# KiCad board cpu2.kicad_pcb (continued)
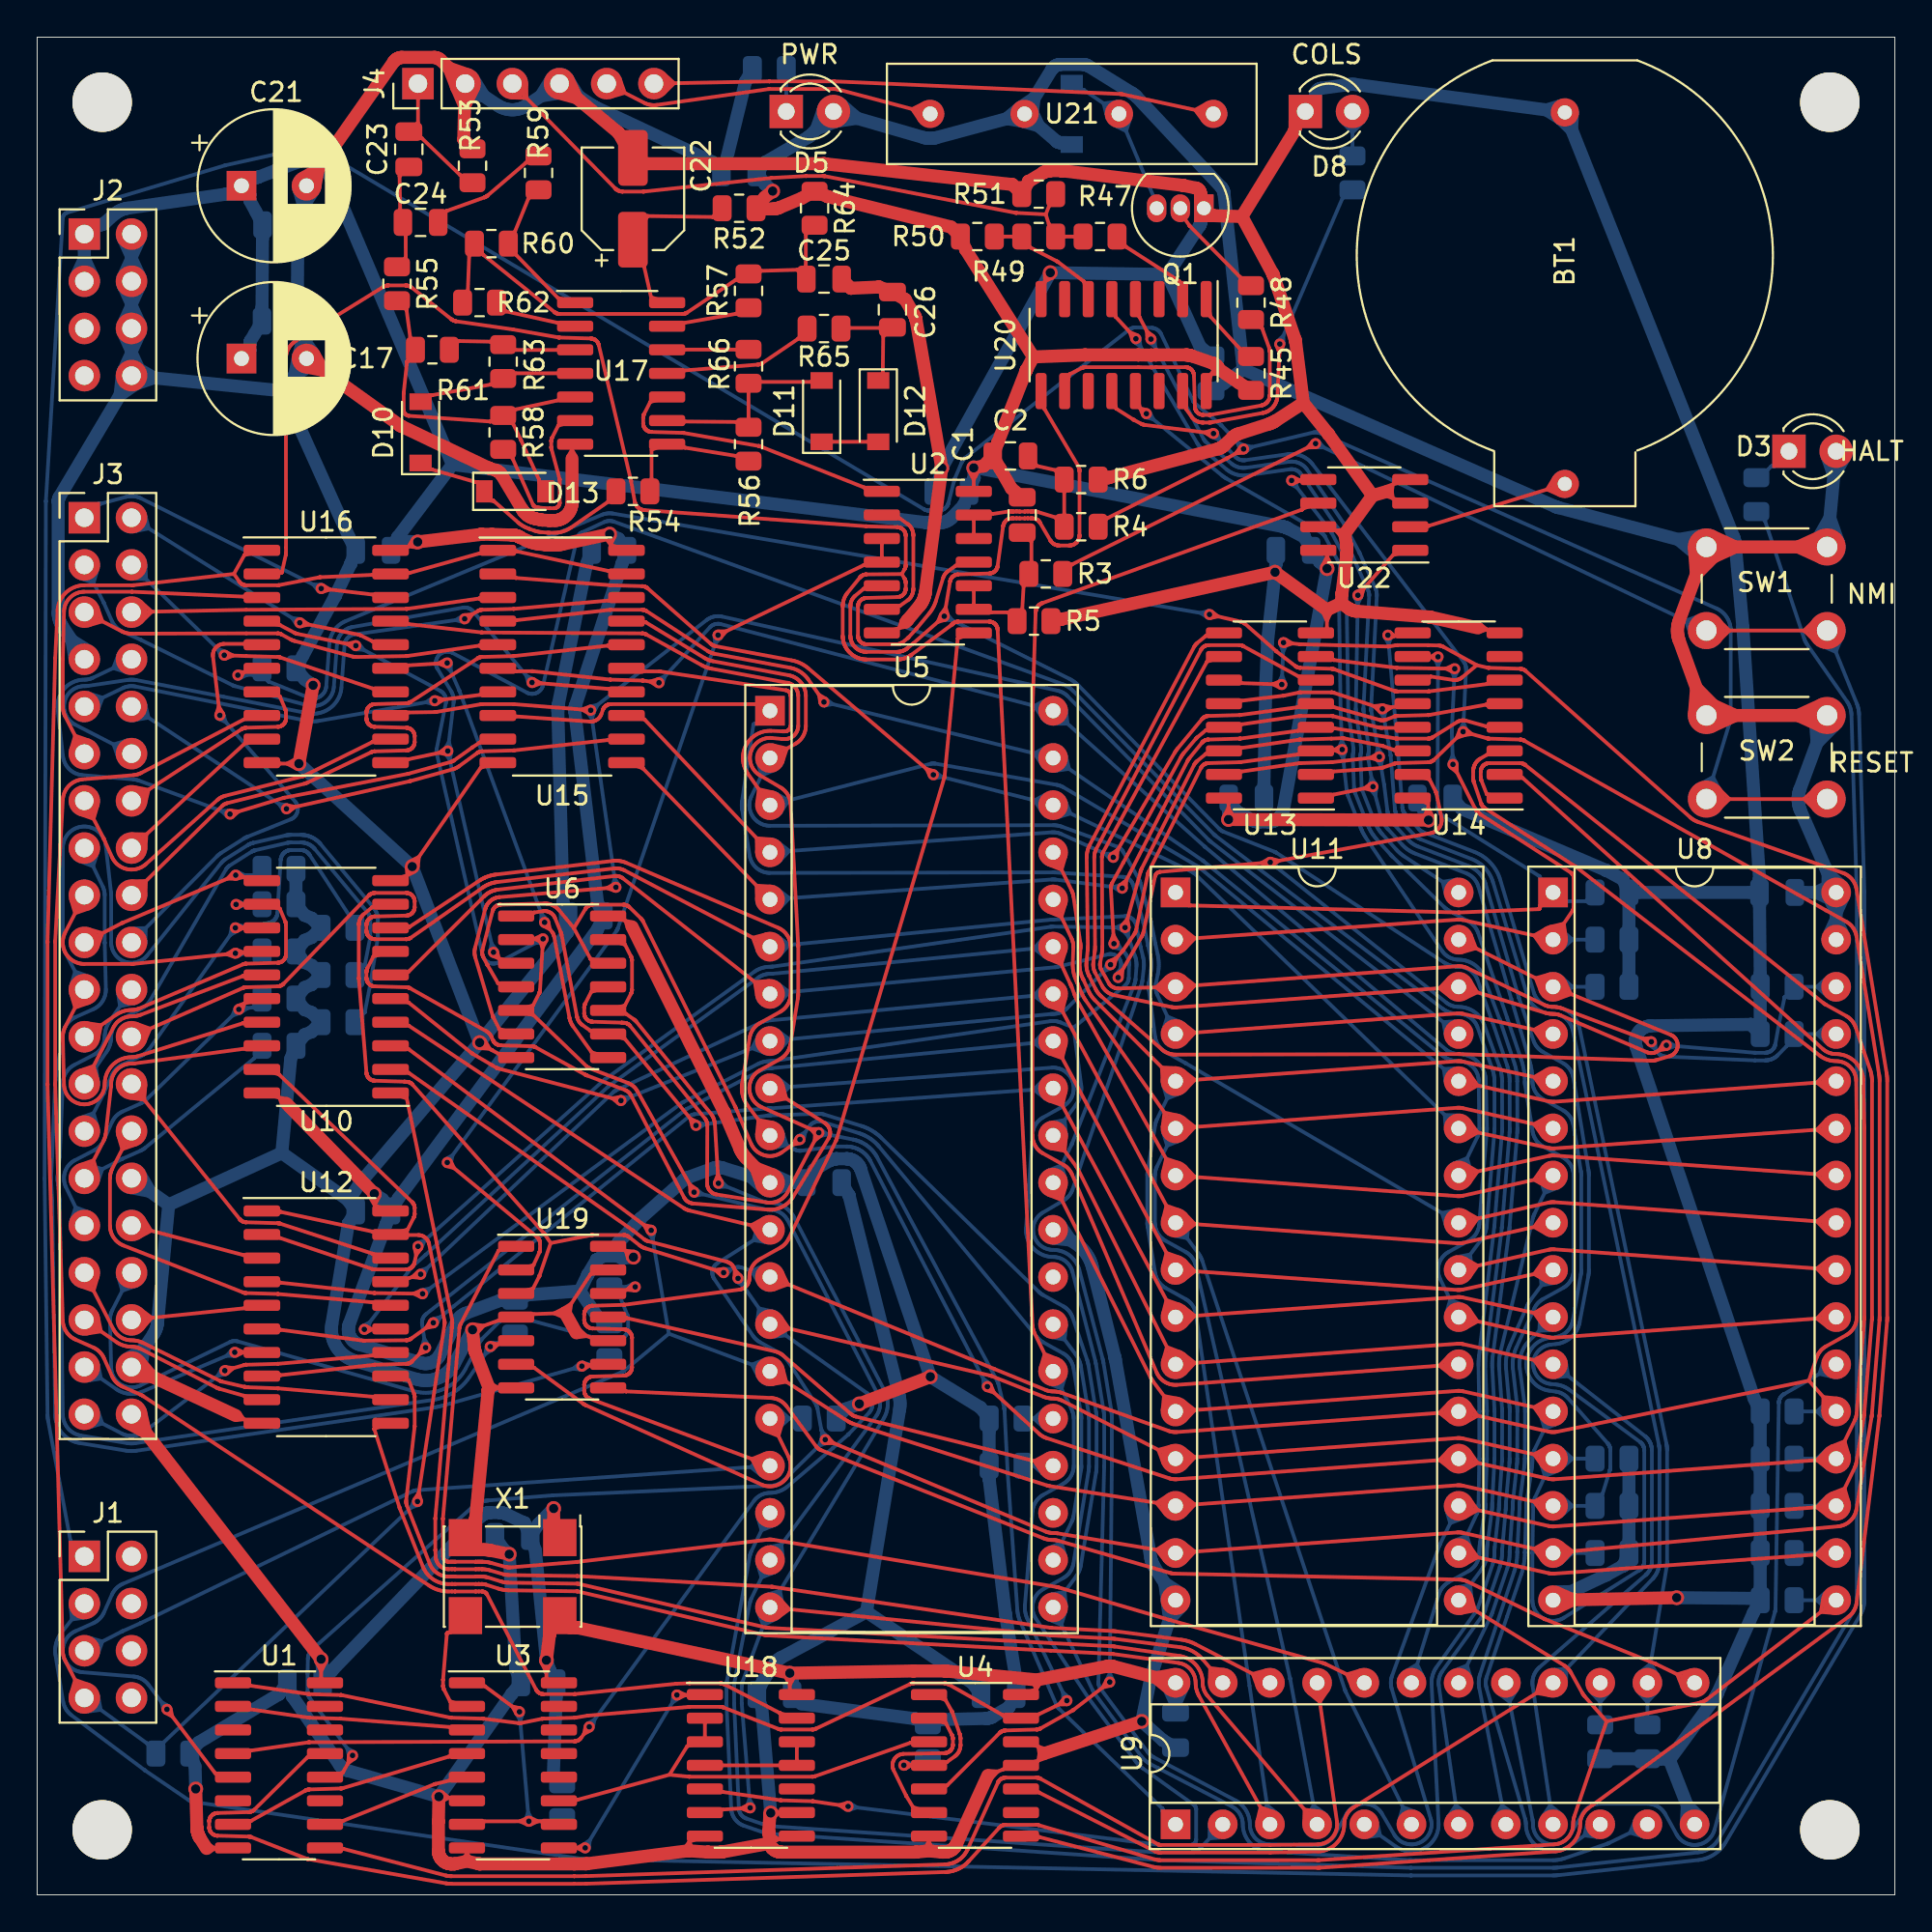
[diagram p0: board, top side]
## Routing (per net, layer and track width the routed paths; a pad name or vN(x,y) marks a point on that pad's centre or on a via; arc(x,y) is an arc through that point) (continued)
~{F_INUSE}: length 68.7
  Top w0.2: 29.75,28.51 v2(29.32,28.46) ; 29.75,28.51 29.44,28.3 ; 29.75,28.51 29.39,28.65 ; 29.75,28.51 29.76,28.51 29.86,28.51 U19.9
  Bottom w0.2: J3.15 3.53,54.28 3.55,54.24 3.57,54.19 3.58,54.15 3.6,54.1 3.61,54.05 3.62,54 3.63,53.96 3.63,53.91 3.64,53.86 3.64,53.81 3.64,51.27 3.64,51.23 3.7,48.76 3.7,48.69 3.7,48.63 3.69,48.56 3.68,48.5 3.66,48.44 3.64,48.37 3.62,48.31 3.6,48.25 3.57,48.2 3.54,48.14 3.5,48.08 3.47,48.03 3.42,47.98 3.38,47.93 3.34,47.89 3.29,47.84 3.24,47.8 3.18,47.76 3.13,47.73 3.07,47.7 3.01,47.67 2.07,47.25 2.01,47.22 1.95,47.19 1.9,47.16 1.85,47.12 1.8,47.08 1.75,47.04 1.7,46.99 1.66,46.95 1.62,46.9 1.58,46.85 1.55,46.79 1.52,46.74 1.49,46.68 1.46,46.62 1.44,46.56 1.42,46.5 1.41,46.44 1.4,46.38 0.99,43.9 0.98,43.87 0.98,43.83 0.98,43.79 0.97,43.75 0.97,43.71 0.81,39.81 0.81,39.8 0.75,38.66 0.75,38.63 0.75,38.59 0.75,38.55 0.75,38.51 0.75,38.48 0.81,37.34 0.81,37.31 0.97,25.85 0.97,25.76 0.98,25.67 1,25.58 1.02,25.49 1.04,25.4 1.07,25.31 1.11,25.23 1.15,25.15 1.19,25.07 1.24,24.99 1.29,24.92 1.35,24.85 1.41,24.78 1.48,24.71 1.55,24.65 1.62,24.6 1.69,24.55 1.77,24.5 1.85,24.46 1.94,24.42 2.02,24.39 2.11,24.36 2.2,24.34 2.29,24.32 4.76,23.92 4.84,23.9 4.91,23.9 4.99,23.89 5.06,23.89 5.14,23.89 5.21,23.89 5.29,23.9 5.37,23.91 21.38,26.24 21.46,26.25 21.55,26.27 21.63,26.29 21.72,26.31 21.8,26.33 v2(29.32,28.46) 30.11,28.59 30.11,28.59 R18.1 ; 3.25,56.12 3.01,55.37 2.27,55.65 ; 29.43,28.29 29.8,28.54 29.37,28.65 ; 29.29,28.26 28.86,28.33 29.19,28.61
~{F_IN}: length 27.9
  Top w0.2: 10,63.6 9.78,63.97 9.64,63.56 ; v2(9.83,63.49) 9.46,66.66 9.46,66.69 9.46,66.73 9.46,66.77 9.46,66.8 9.47,66.84 9.48,66.87 9.49,66.91 9.5,66.94 9.51,66.97 9.53,67 9.54,67.04 9.56,67.07 9.58,67.09 9.6,67.12 9.63,67.15 9.65,67.17 9.68,67.2 9.71,67.22 9.74,67.24 9.77,67.26 9.8,67.28 9.83,67.29 9.86,67.3 9.9,67.31 9.93,67.32 9.96,67.33 10,67.34 10.04,67.34 10.07,67.34 11.21,67.34 12.1,67.3
  Bottom w0.2: 9.75,63.31 10.15,63.13 10.03,63.55 ; 5.83,51.25 5.85,52.04 5.06,52.02 ; J3.20 9.67,55.9 9.71,55.93 9.74,55.96 9.77,55.99 9.81,56.02 9.85,56.05 9.89,56.07 9.92,56.1 11.12,56.85 11.14,56.87 11.16,56.88 11.19,56.9 11.21,56.91 11.27,56.93 11.31,56.95 11.34,56.96 13.65,57.89 13.68,57.91 13.71,57.93 13.75,57.94 13.78,57.96 13.8,57.99 13.83,58.01 13.86,58.04 13.88,58.06 13.91,58.09 13.93,58.12 13.95,58.15 13.96,58.18 13.98,58.22 13.99,58.25 14,58.28 14.01,58.32 14.02,58.35 14.03,58.39 14.03,58.43 14.03,58.46 14.03,58.5 14.03,58.54 14.02,58.57 14.01,58.61 14,58.64 13.99,58.68 13.98,58.71 13.96,58.74 13.94,58.77 13.92,58.8 13.9,58.83 13.88,58.86 v2(9.83,63.49)
~{F_MREQ}: length 19.1
  Top w0.2: v2(14.13,68.48) 17.28,67.84 17.3,67.84 17.32,67.83 17.34,67.82 17.37,67.82 17.39,67.81 17.41,67.8 17.43,67.79 18.04,67.48 18.04,67.48 19.02,67.3 ; 14.18,68.28 14.6,68.38 14.25,68.64
  Bottom w0.2: 14.16,68.68 13.73,68.73 13.97,68.37 ; 5.23,73.4 6,73.55 5.81,74.32 ; J3.2 v2(14.13,68.48)
~{F_OUT}: length 20.8
  Top w0.2: J3.11 1.51,63.44 1.49,63.49 1.47,63.53 1.45,63.58 1.43,63.63 1.42,63.67 1.41,63.72 1.4,63.77 1.39,63.82 1.38,63.87 1.38,63.92 1.38,63.97 1.38,66.51 1.38,66.54 1.44,69.08 1.45,69.14 1.45,69.2 1.46,69.26 1.48,69.33 1.5,69.39 1.52,69.45 1.54,69.5 1.57,69.56 1.6,69.61 1.63,69.67 1.67,69.72 1.71,69.77 1.75,69.81 1.8,69.86 1.84,69.9 1.89,69.94 1.95,69.97 2,70 2.06,70.03 2.11,70.06 2.17,70.08 2.23,70.1 2.29,70.12 2.35,70.13 2.41,70.14 2.48,70.14 2.54,70.15 5.08,70.15 5.12,70.15 5.13,70.15 11.11,69.89 11.11,69.88 11.21,69.88 12.1,69.84 ; 1.82,61.64 2.04,62.4 2.79,62.14
~{F_READ}: length 10.8
  Top w0.2: 5.83,56.3 5.88,57.09 5.09,57.1 ; 12.1,62.22 11.15,61.96 J3.16
~{F_SYSRES}: length 19.8
  Top w0.2: 15.39,70.49 15.76,70.27 15.35,70.13 ; 19.02,69.84 18.04,70 v2(15.29,70.32)
  Bottom w0.2: J3.1 3.29,74.88 3.39,74.88 3.42,74.88 4.78,75.25 4.84,75.26 4.9,75.28 4.96,75.28 5.02,75.29 5.08,75.29 5.14,75.29 5.2,75.28 5.26,75.28 5.32,75.27 5.37,75.25 5.43,75.24 5.49,75.22 5.54,75.19 5.6,75.17 v2(15.29,70.32) ; 15.13,70.2 14.86,70.54 15.29,70.52
~{F_WAIT}: length 45.9
  Top w0.2: 32.06,32.87 31.74,32.57 32.18,32.53 ; v2(32.2,32.73) 31.7,32.56 U19.12
  Bottom w0.2: 4.36,33.28 4.58,32.52 5.33,32.78 ; 5.56,27.42 10.37,29.75 10.4,29.77 10.43,29.78 10.46,29.79 10.49,29.8 10.52,29.8 10.55,29.81 10.58,29.81 10.61,29.81 10.64,29.81 10.68,29.81 10.71,29.81 10.74,29.81 10.77,29.8 10.8,29.79 20.25,27.12 20.38,27.09 20.52,27.06 20.65,27.04 20.79,27.03 20.93,27.03 21.06,27.03 21.2,27.04 21.34,27.06 21.47,27.09 21.6,27.13 21.73,27.17 21.86,27.22 21.98,27.28 22.11,27.34 22.22,27.41 22.34,27.49 22.44,27.57 22.55,27.66 22.65,27.76 22.74,27.86 22.83,27.96 22.91,28.07 22.98,28.19 23.05,28.3 23.86,29.8 23.87,29.82 23.88,29.84 23.89,29.86 23.91,29.88 23.92,29.89 23.93,29.91 23.95,29.93 23.96,29.94 24.89,30.86 24.91,30.88 24.93,30.9 24.97,30.92 ; v2(32.2,32.73) 31.4,32.73 R20.1 31.36,32.24 31.77,31.21 31.78,31.18 31.8,31.12 31.8,31.09 31.81,31.08 31.81,31.02 31.81,31 31.81,30.48 31.81,30.45 31.8,30.4 31.8,30.37 31.8,30.36 31.78,30.31 31.77,30.28 31.77,30.26 31.74,30.22 31.73,30.19 31.72,30.18 31.69,30.13 31.67,30.11 31.66,30.1 31.62,30.06 31.6,30.04 31.59,30.03 31.55,30 31.52,29.99 31.51,29.98 31.46,29.96 31.43,29.95 31.42,29.94 31.37,29.93 31.34,29.93 31.32,29.92 31.27,29.92 31.25,29.92 30.35,29.92 30.32,29.92 30.27,29.92 30.24,29.93 30.23,29.93 30.18,29.94 26.34,30.99 26.28,31 26.26,31 26.24,31.01 26.19,31.01 26.17,31.01 25.27,31.01 25.24,31.01 25.19,31 25.16,31 25.12,30.99 25.09,30.98 25.07,30.97 25.05,30.97 25,30.94 24.98,30.93 24.97,30.92 ; 5.56,27.42 5.5,27.4 5.44,27.37 5.37,27.35 5.31,27.34 5.24,27.33 5.18,27.32 5.11,27.31 5.04,27.31 4.98,27.32 4.91,27.33 4.85,27.34 4.78,27.35 4.72,27.37 4.66,27.4 4.6,27.43 4.54,27.46 4.48,27.49 4.43,27.53 4.37,27.57 4.33,27.61 4.28,27.66 4.23,27.71 4.19,27.76 4.16,27.82 4.12,27.88 4.09,27.93 4.06,28 4.04,28.06 4.02,28.12 4.01,28.19 3.99,28.25 3.99,28.32 3.98,28.38 3.92,30.92 3.92,30.97 3.92,31.03 3.93,31.08 3.93,31.13 3.94,31.18 3.96,31.23 3.97,31.28 3.99,31.33 4,31.38 4.03,31.43 4.05,31.48 J3.34 ; 32.11,32.55 31.72,32.73 32.11,32.91
~{F_WRITE}: length 13.6
  Top w0.2: 5.81,58.72 5.99,59.48 5.22,59.63 ; J3.14 11.02,62.76 11.04,62.77 11.08,62.79 11.1,62.8 11.13,62.81 11.16,62.82 11.19,62.82 11.24,62.83 11.25,62.83 12.94,62.87 12.96,62.88 13,62.88 13.02,62.88 13.04,62.89 13.08,62.9 13.1,62.91 13.12,62.91 13.15,62.93 13.17,62.94 13.19,62.95 13.22,62.97 13.24,62.99 13.25,63 13.28,63.03 13.29,63.05 13.3,63.06 13.32,63.09 13.34,63.11 13.35,63.13 13.36,63.16 13.37,63.19 13.38,63.2 13.39,63.24 13.39,63.26 13.39,63.28 13.4,63.32 13.4,63.34 13.4,63.63 13.39,63.66 13.39,63.7 13.39,63.72 13.38,63.74 13.37,63.78 13.36,63.81 13.06,64.51 13.06,64.52 12.1,64.75
~{INTAK}: length 88.5
  Top w0.2: U16.8 11.12,63.27 5.62,60.4 5.57,60.38 5.52,60.36 5.48,60.34 5.43,60.32 5.38,60.31 5.33,60.3 5.28,60.29 5.23,60.28 5.18,60.27 2.44,60.05 2.38,60.04 2.31,60.03 2.25,60.01 2.18,59.99 2.12,59.97 2.06,59.95 2,59.92 1.94,59.88 1.89,59.85 1.83,59.81 1.78,59.77 1.73,59.72 1.68,59.67 1.64,59.62 1.6,59.57 1.56,59.52 1.53,59.46 1.5,59.4 1.47,59.34 1.45,59.28 1.43,59.21 1.41,59.15 1.4,59.08 1.39,59.02 1.38,58.95 0.97,51.35 0.97,51.31 0.97,51.27 0.97,43.65 0.97,43.6 1.38,30.91 1.38,30.85 1.39,30.78 1.4,30.72 1.42,30.66 1.44,30.59 1.46,30.53 1.48,30.47 1.51,30.41 1.54,30.36 1.58,30.3 1.62,30.25 1.66,30.2 1.7,30.15 1.75,30.11 1.79,30.06 1.84,30.02 1.9,29.98 1.95,29.95 2.01,29.92 2.07,29.89 3.01,29.47 3.07,29.44 3.12,29.41 3.17,29.38 3.22,29.35 3.27,29.31 3.32,29.27 3.36,29.23 3.4,29.19 3.44,29.14 3.48,29.09 3.51,29.04 3.54,28.99 3.57,28.94 3.6,28.88 4.02,27.94 4.05,27.88 4.08,27.83 4.11,27.78 4.14,27.73 4.18,27.68 4.22,27.63 4.26,27.59 4.3,27.55 4.35,27.51 4.4,27.47 4.45,27.44 4.5,27.41 4.55,27.38 4.61,27.35 5.55,26.93 5.58,26.92 5.61,26.9 5.64,26.89 5.67,26.87 5.69,26.85 5.72,26.84 21.1,16.65 21.18,16.6 21.26,16.55 21.35,16.51 21.43,16.47 21.52,16.44 21.61,16.41 21.7,16.38 21.79,16.36 21.89,16.35 21.98,16.34 22.07,16.33 22.17,16.33 22.33,16.33 22.5,16.33 23.61,16.33 23.62,16.33 23.78,16.33 23.95,16.33 23.97,16.33 23.99,16.33 24,16.33 24.02,16.32 24.03,16.32 24.05,16.31 24.07,16.31 24.08,16.3 24.09,16.29 24.11,16.29 24.12,16.28 24.14,16.27 24.15,16.26 24.16,16.25 24.17,16.23 24.18,16.22 24.19,16.21 24.2,16.2 24.21,16.18 24.22,16.17 26.85,11.05 26.87,11.02 26.9,10.98 26.91,10.96 26.93,10.95 26.95,10.92 26.97,10.91 26.99,10.9 27.02,10.88 27.04,10.86 27.05,10.85 27.09,10.84 27.11,10.83 27.13,10.82 27.16,10.81 27.19,10.81 27.21,10.81 27.25,10.8 27.26,10.8 28.91,10.8 28.94,10.81 28.97,10.81 34.37,11.36 34.42,11.37 35.11,11.39 35.12,11.39 36.77,11.39 36.8,11.39 36.83,11.39 36.86,11.38 36.88,11.38 36.91,11.37 36.94,11.36 36.99,11.34 39.97,9.79 39.98,9.78 U18.13
~{INT}: length 24.6
  Top w0.2: 39.19,24.99 39.9,24.7 40.12,25.44 ; U5.16 40.45,23.58 40.48,23.52 40.5,23.46 40.52,23.39 40.54,23.33 40.55,23.26 40.56,23.19 40.56,23.13 40.56,23.06 40.55,22.99 40.55,22.92 40.53,22.86 40.52,22.79 40.49,22.73 40.47,22.66 40.44,22.6 40.41,22.54 40.37,22.48 40.33,22.43 40.29,22.38 40.25,22.33 40.2,22.28 40.14,22.23 40.09,22.19 40.03,22.16 39.98,22.12 39.91,22.09 39.85,22.06 39.79,22.04 39.72,22.02 39.66,22.01 39.59,22 39.52,21.99 39.45,21.99 39.39,21.99 39.32,22 39.25,22.01 39.18,22.02 39.12,22.04 39.06,22.06 38.99,22.09 29.56,26.34 29.53,26.36 29.51,26.37 29.49,26.38 29.47,26.39 29.46,26.4 29.44,26.41 29.39,26.44 26.76,28.37 26.75,28.37 U19.6
  Bottom w0.2: U5.16 R16.1 ; 39.92,26.16 40.49,25.64 39.92,25.12
~{INUSE}: length 63.7
  Top w0.2: 89.02,12.09 88.28,11.87 88.57,11.16 ; U9.13 87.17,12.41 87.12,12.43 87.1,12.44 81.18,14.83 81.16,14.84 81.11,14.86 77.01,16.86 76.96,16.88 76.92,16.9 76.87,16.91 76.83,16.93 76.78,16.94 76.73,16.95 76.69,16.96 76.64,16.96 76.59,16.97 76.54,16.97 61.26,17.29 61.22,17.29 61.17,17.29 61.13,17.3 61.09,17.31 61.05,17.31 61.01,17.32 60.97,17.33 54.99,19.06 54.95,19.07 54.91,19.08 54.88,19.08 54.84,19.09 54.8,19.09 54.76,19.1 54.73,19.1 54.69,19.1 54.63,19.1 54.57,19.1 54.51,19.11 54.45,19.12 54.39,19.13 54.33,19.14 54.27,19.16 54.21,19.18 54.15,19.2 42.2,23.94 42.17,23.95 42.15,23.96 42.12,23.97 42.1,23.99 42.07,24 42.05,24.02 42.03,24.04 42.01,24.06 41.99,24.08 41.97,24.1 41.95,24.12 41.93,24.14 40.34,26.3 40.31,26.34 40.27,26.39 40.23,26.43 40.19,26.47 40.14,26.51 40.1,26.54 40.05,26.57 40,26.6 39.95,26.63 39.89,26.66 39.84,26.68 39.78,26.7 39.73,26.71 39.67,26.73 39.61,26.74 39.56,26.74 39.5,26.75 31.71,27.1 31.7,27.1 U19.8
~{IN}: length 30
  Top w0.2: v2(27.31,52.35) 27.71,51.84 27.73,51.81 27.74,51.79 27.76,51.77 27.77,51.75 27.78,51.72 27.79,51.7 27.8,51.67 27.81,51.65 27.82,51.62 27.83,51.6 27.83,51.57 28.65,47.22 28.66,47.19 28.67,47.16 28.68,47.12 28.69,47.07 28.7,47.03 28.72,46.99 28.74,46.95 28.76,46.91 28.78,46.87 28.8,46.83 28.82,46.79 28.85,46.75 29.85,45.36 29.85,45.36 U6.8 ; 27.51,52.39 27.61,51.97 27.22,52.17 ; 21.98,66.49 21.59,66.28 22,66.13 ; U16.15 20.01,66.19 v2(22.07,66.31)
  Bottom w0.2: 21.94,66.16 22.27,65.87 22.27,66.31 ; v2(27.31,52.35) 22.75,64.77 22.73,64.81 22.71,64.85 v2(22.07,66.31) ; 27.12,52.36 27.15,52.8 27.46,52.49
~{IORQ}: length 94.2
  Top w0.2: 39.97,15.95 40.48,15.38 39.87,14.92 ; U6.13 31.65,51.15 31.65,51.15 31.97,50.51 31.99,50.47 32,50.45 32,50.43 32.01,50.4 32.02,50.37 32.02,50.35 32.02,50.31 32.02,50.3 32.02,48.73 32.02,48.7 32.02,48.67 32.01,48.64 32.01,48.62 32,48.59 31.99,48.56 31.98,48.55 31.97,48.51 31.65,47.88 U6.10 31.7,47.42 31.71,47.42 32.12,47.13 32.14,47.11 32.16,47.1 32.18,47.08 32.19,47.07 32.21,47.05 32.23,47.03 32.25,47.01 32.26,46.99 36.26,42.06 36.29,42.02 36.32,41.98 36.34,41.94 36.37,41.9 36.39,41.85 36.41,41.81 36.43,41.76 36.44,41.72 36.45,41.67 36.46,41.62 36.47,41.57 36.48,41.53 36.48,41.48 v2(36.67,38.3) ; 36.49,38.37 36.64,38.78 36.85,38.4 ; 38.29,4.86 37.9,4.65 38.31,4.5 ; U5.20 54.54,13.97 54.57,13.96 54.61,13.96 57.86,13.79 57.89,13.79 57.93,13.79 57.97,13.79 58,13.78 58.04,13.78 61.53,13.33 61.62,13.32 61.71,13.3 61.8,13.27 61.89,13.24 61.98,13.21 62.07,13.18 62.16,13.14 62.24,13.09 62.32,13.04 62.4,12.99 62.47,12.93 62.55,12.87 62.62,12.81 62.68,12.74 62.75,12.67 U9.23 ; 63.12,11.44 63.14,12.21 63.91,12.11 ; U18.6 36.92,4.59 v2(38.38,4.68)
  Bottom w0.2: 36.68,38.1 37.12,38.12 36.82,38.44 ; 40.14,15.62 39.99,16.37 39.25,16.15 ; 38.56,4.78 38.34,5.16 38.19,4.75 ; v2(38.38,4.68) 37.93,10.28 37.93,10.31 37.93,11.25 37.93,11.28 37.94,11.34 37.94,11.36 37.94,11.38 37.96,11.43 37.96,11.45 U5.20 45.57,25.64 45.61,25.71 45.65,25.79 45.68,25.86 45.71,25.94 45.73,26.02 45.75,26.1 45.77,26.18 45.78,26.26 45.79,26.34 45.79,26.42 45.79,26.51 45.78,26.59 45.77,26.67 45.75,26.75 45.73,26.83 45.71,26.91 45.68,26.99 45.65,27.06 45.61,27.14 40.74,36.47 40.7,36.54 40.66,36.61 40.62,36.68 40.57,36.74 40.51,36.8 40.46,36.85 40.4,36.91 40.34,36.96 40.27,37 40.21,37.05 40.14,37.09 40.07,37.12 39.99,37.15 39.92,37.18 39.84,37.21 39.76,37.22 39.69,37.24 39.61,37.25 39.53,37.26 39.45,37.26 ; 39.77,14.86 39.09,14.5 38.8,15.22 ; 39.45,37.26 39.4,37.26 39.36,37.26 39.31,37.27 39.26,37.27 39.22,37.28 39.17,37.29 39.13,37.31 39.09,37.32 39.04,37.34 v2(36.67,38.3)
~{MREQ}: length 127.5
  Top w0.2: 35.48,37.99 35.13,38.24 35.16,37.81 ; v2(17.16,67.24) 14.01,67.88 13.99,67.88 13.97,67.89 13.95,67.9 13.93,67.9 13.91,67.91 13.89,67.92 13.87,67.93 13.85,67.94 13.07,68.35 13.07,68.35 U16.4 ; 27.05,51.39 27.2,50.98 27.41,51.37 ; 29.63,44.55 29.66,44.53 29.69,44.52 29.7,44.51 29.74,44.49 29.75,44.49 31.79,43.71 31.84,43.69 31.88,43.67 31.93,43.64 31.97,43.62 32.01,43.59 32.05,43.56 32.09,43.53 32.13,43.49 32.17,43.46 32.2,43.42 32.23,43.38 32.26,43.34 32.29,43.3 32.32,43.26 v2(35.36,37.82) ; 26.76,51.46 27.15,51.64 ; 26.76,51.46 v2(27.23,51.46) 27.07,48.71 27.07,48.67 27.06,48.64 27.06,48.62 27.05,48.59 27.04,48.56 27.03,48.55 27.02,48.51 26.7,47.88 U6.5 26.72,47.35 29.6,44.58 29.62,44.56 29.63,44.55 ; 26.76,51.46 26.66,51.46 U6.2 ; 26.76,51.46 27.15,51.28 ; 17.04,67.08 16.69,67.34 17.11,67.44
  Bottom w0.2: 17.14,67.04 17.58,67.02 17.32,67.37 ; U9.2 62.6,2.5 62.58,2.48 62.55,2.45 62.52,2.43 62.49,2.41 62.46,2.39 62.43,2.37 62.4,2.35 62.37,2.33 62.33,2.32 62.3,2.31 62.26,2.3 62.23,2.29 62.19,2.28 62.15,2.28 62.12,2.28 62.08,2.27 60.48,2.27 60.44,2.28 60.43,2.28 39.44,3.7 39.41,3.7 39.39,3.71 39.36,3.71 39.33,3.72 39.31,3.72 39.28,3.73 39.26,3.74 38.18,4.11 38.15,4.12 38.12,4.13 38.09,4.15 38.06,4.17 38.03,4.19 38,4.21 37.97,4.23 37.95,4.25 37.93,4.28 37.9,4.3 37.88,4.33 37.86,4.36 37.85,4.39 37.83,4.42 37.82,4.45 37.8,4.49 37.79,4.52 37.79,4.55 37.78,4.59 37.77,4.62 37.77,4.66 37.52,10.27 37.52,10.31 37.52,11.25 37.52,11.29 37.52,11.34 37.53,11.38 37.53,11.41 37.54,11.44 38.36,15.69 38.37,15.73 38.38,15.77 38.39,15.81 38.4,15.85 38.42,15.89 38.43,15.93 38.45,15.96 U5.19 45.16,25.77 45.19,25.82 45.23,25.87 45.26,25.92 45.28,25.98 45.31,26.04 45.33,26.1 45.34,26.16 45.36,26.22 45.37,26.28 45.37,26.34 45.38,26.4 45.38,26.47 45.37,26.53 45.37,26.59 45.36,26.65 45.34,26.71 45.32,26.77 45.3,26.83 45.28,26.89 45.25,26.95 40.41,36.3 40.38,36.35 40.35,36.4 40.31,36.45 40.28,36.49 40.24,36.54 40.2,36.58 40.15,36.62 40.11,36.66 40.06,36.69 40.01,36.72 39.96,36.75 39.91,36.78 39.85,36.8 39.8,36.82 39.74,36.84 39.68,36.85 39.63,36.86 39.57,36.87 39.51,36.88 39.45,36.88 ; 35.4,37.63 35.83,37.71 35.49,37.98 ; v2(17.16,67.24) 21.69,64.82 21.72,64.8 21.75,64.78 21.78,64.76 21.8,64.74 21.83,64.72 21.85,64.69 21.87,64.67 21.89,64.64 21.91,64.61 21.93,64.59 21.95,64.56 21.96,64.52 21.97,64.49 21.99,64.46 21.99,64.43 22,64.4 22.01,64.36 22.01,64.33 22.01,64.29 22.01,64.26 22.01,64.23 22.01,64.19 22,64.16 21.51,61.69 21.5,61.67 21.5,61.64 21.5,61.62 21.5,61.59 21.5,61.57 21.5,61.54 21.5,61.52 21.5,61.49 21.5,61.46 21.51,61.44 23.97,50.6 23.98,50.57 23.99,50.54 24,50.5 24.02,50.47 24.04,50.44 24.06,50.41 24.08,50.38 24.1,50.35 24.12,50.32 24.15,50.3 24.17,50.27 24.2,50.25 24.23,50.23 24.26,50.21 24.3,50.19 24.33,50.18 24.36,50.17 24.4,50.15 24.43,50.15 24.47,50.14 24.5,50.13 24.54,50.13 24.57,50.13 24.61,50.13 24.65,50.14 24.68,50.14 24.72,50.15 24.75,50.16 24.79,50.17 24.82,50.18 24.85,50.2 v2(27.23,51.46) ; 39.45,36.88 39.4,36.88 39.35,36.88 39.3,36.89 39.25,36.89 39.2,36.9 39.15,36.91 39.11,36.92 v2(35.36,37.82) ; 27.24,51.26 26.81,51.24 27.07,51.58 ; 40.15,18.09 40.07,18.86 39.31,18.71 ; 38.78,17.82 38.99,17.08 39.71,17.37 ; 63.87,3.1 63.11,3.04 63.12,3.81
~{OUT}: length 123.1
  Top w0.2: 42.2,40.87 41.85,40.6 41.88,41.04 ; 29.49,47.28 29.48,47.3 29.47,47.33 29.46,47.36 29.45,47.39 29.45,47.44 29.45,47.46 29.45,47.76 29.45,47.79 29.45,47.82 29.46,47.85 29.46,47.87 29.47,47.9 29.48,47.93 29.5,47.97 29.5,47.98 29.82,48.61 29.82,48.61 U6.11 ; 29.63,47.09 29.61,47.11 29.59,47.13 29.57,47.15 29.55,47.17 29.53,47.21 29.51,47.23 29.5,47.25 29.49,47.28 ; 42.07,41.23 41.64,41.22 41.93,40.9 ; U16.17 20.01,68.4 23.9,67.96 23.95,67.95 23.96,67.95 32.56,67.91 32.59,67.9 32.62,67.9 32.65,67.9 32.67,67.89 32.7,67.88 32.73,67.87 32.78,67.85 32.79,67.85 35.76,66.2 35.83,66.17 35.89,66.13 35.96,66.11 36.03,66.08 36.1,66.06 36.17,66.03 36.24,66.02 36.32,66 40.38,65.25 40.42,65.24 40.46,65.23 40.5,65.21 40.54,65.2 40.58,65.18 40.61,65.16 40.65,65.14 40.68,65.11 40.72,65.09 40.75,65.06 40.78,65.03 40.8,65 40.83,64.97 40.85,64.93 40.87,64.9 40.89,64.86 40.91,64.82 40.93,64.78 40.94,64.74 40.95,64.7 40.96,64.66 40.96,64.62 40.97,64.58 40.97,64.54 40.97,62.94 40.97,62.9 40.96,62.86 40.96,62.81 40.95,62.77 40.94,62.73 40.93,62.69 40.91,62.65 40.89,62.62 40.87,62.58 40.85,62.54 40.83,62.51 40.8,62.48 40.77,62.44 40.74,62.42 40.71,62.39 40.68,62.36 40.64,62.34 40.61,62.32 40.57,62.3 40.53,62.28 40.5,62.26 40.46,62.25 40.42,62.24 40.37,62.23 40.33,62.22 40.29,62.22 40.25,62.22 40.15,62.22 40.12,62.22 40.09,62.22 40.08,62.22 39.55,62.27 39.49,62.28 39.42,62.28 39.36,62.27 39.29,62.27 39.22,62.26 39.16,62.24 39.1,62.22 39.03,62.2 38.97,62.17 38.91,62.14 38.86,62.1 38.8,62.06 38.75,62.02 38.7,61.98 38.66,61.93 38.61,61.88 38.57,61.83 38.53,61.77 38.5,61.72 38.47,61.66 38.44,61.6 38.42,61.53 38.4,61.47 38.39,61.4 38.38,61.34 38.37,61.27 38.37,61.21 38.37,61.14 38.38,61.07 38.39,61.01 38.4,60.94 38.42,60.88 38.44,60.82 38.46,60.75 38.49,60.69 38.53,60.64 38.56,60.58 38.6,60.53 38.65,60.48 38.69,60.43 38.74,60.38 38.79,60.34 38.85,60.3 38.9,60.27 40.01,59.62 40.06,59.58 40.11,59.55 40.16,59.51 40.21,59.47 40.25,59.43 40.29,59.38 40.33,59.34 40.36,59.29 40.4,59.24 40.43,59.18 40.45,59.13 40.48,59.07 40.5,59.02 40.52,58.96 40.53,58.9 40.54,58.84 40.55,58.78 40.56,58.72 40.97,51.12 40.97,51.08 40.97,51.04 40.97,48.5 40.97,48.46 40.97,48.42 40.96,48.38 40.96,48.33 40.96,48.29 40.95,48.25 40.54,45.78 40.53,45.72 40.52,45.66 40.5,45.61 40.48,45.55 40.46,45.5 40.43,45.45 40.4,45.39 40.37,45.34 40.34,45.3 40.3,45.25 40.26,45.21 40.22,45.16 40.18,45.12 40.14,45.09 40.09,45.05 40.04,45.02 39.99,44.99 38.91,44.39 38.85,44.36 38.8,44.32 38.75,44.28 38.7,44.23 38.65,44.19 38.6,44.14 38.56,44.09 38.52,44.03 38.49,43.98 38.46,43.92 38.43,43.86 38.4,43.79 38.38,43.73 38.37,43.67 38.35,43.6 38.35,43.54 38.34,43.47 38.34,43.4 38.34,43.34 38.35,43.27 38.36,43.21 38.37,43.14 38.39,43.08 38.42,43.02 38.44,42.95 38.47,42.89 38.5,42.84 38.54,42.78 38.58,42.73 38.62,42.68 38.67,42.63 38.72,42.58 38.77,42.54 38.82,42.5 38.88,42.47 38.94,42.43 39,42.41 v2(42.08,41.03) 40.41,37.84 40.38,37.78 40.34,37.73 40.31,37.68 40.27,37.64 40.23,37.59 40.18,37.55 40.14,37.51 40.09,37.47 40.04,37.44 39.99,37.4 39.93,37.37 39.88,37.35 39.82,37.33 39.76,37.31 39.71,37.29 39.65,37.28 39.58,37.27 39.52,37.26 39.46,37.26 39.4,37.26 39.34,37.26 39.28,37.27 36.58,37.7 36.54,37.71 36.51,37.71 36.48,37.72 36.45,37.74 36.41,37.75 36.38,37.77 36.35,37.78 36.32,37.8 36.3,37.82 36.27,37.85 36.24,37.87 36.22,37.89 36.2,37.92 36.18,37.95 36.16,37.98 36.14,38.01 36.12,38.04 36.11,38.07 36.1,38.1 36.09,38.13 36.08,38.17 36.07,38.2 36.07,38.24 36.06,38.27 36.06,38.3 36.08,41.41 36.08,41.44 36.07,41.47 36.07,41.5 36.06,41.53 36.06,41.56 36.05,41.59 36.04,41.62 36.03,41.65 36.02,41.67 36.01,41.7 35.99,41.73 35.98,41.75 35.96,41.78 35.94,41.8 31.92,46.78 31.89,46.81 31.87,46.83 31.85,46.85 31.82,46.87 31.79,46.89 31.76,46.9 31.74,46.91 31.72,46.92 31.68,46.93 31.63,46.94 31.58,46.94 31.47,46.95 29.9,47 29.88,47 29.85,47 29.82,47.01 29.8,47.01 29.77,47.02 29.74,47.03 29.73,47.04 29.7,47.05 29.67,47.07 29.66,47.08 29.63,47.09
  Bottom w0.2: v2(42.08,41.03) 43.92,40.66 43.97,40.65 44.02,40.64 44.07,40.62 44.11,40.61 44.16,40.6 44.2,40.58 44.24,40.57 44.29,40.55 44.33,40.53 44.37,40.51 44.41,40.49 44.46,40.47 44.5,40.44 44.54,40.42 44.58,40.39 44.62,40.37 44.66,40.34 44.69,40.31 44.73,40.28 44.77,40.25 44.8,40.22 44.84,40.19 44.87,40.16 44.9,40.13 44.93,40.09 44.97,40.06 45,40.02 45.03,39.99 45.06,39.95 45.08,39.91 45.11,39.88 45.13,39.84 45.15,39.81 45.17,39.78 45.19,39.74 45.21,39.71 51.69,27.65 51.7,27.63 51.71,27.61 51.72,27.59 51.73,27.57 51.73,27.55 51.74,27.53 51.74,27.5 52.06,26.21 52.06,26.18 52.07,26.16 52.07,26.1 52.25,22.63 52.25,22.63 52.76,15.34 52.77,15.27 52.78,15.2 52.79,15.13 52.81,15.06 52.82,14.98 52.84,14.91 52.87,14.85 52.89,14.78 52.92,14.71 54.87,10.21 54.88,10.19 54.89,10.16 54.91,10.14 54.92,10.12 54.94,10.1 54.95,10.08 54.97,10.05 54.99,10.03 55.01,10.02 60.55,4.67 60.56,4.65 60.57,4.63 60.58,4.61 60.58,4.59 60.58,4.5 U9.1 ; 42.19,41.19 42.55,40.93 42.12,40.83
~{RAM0}: length 76.5
  Top w0.2: v2(67.53,76.14) 67.99,76.14 ; 67.99,76.14 67.61,76.32 ; 67.99,76.14 67.61,75.96 ; 67.99,76.14 68.09,76.14 U22.5
  Bottom w0.2: 76.26,12.06 76.97,12.35 77.19,11.61 ; 67.43,75.96 67.82,75.76 67.72,76.18 ; 69.64,73.39 69.66,73.36 69.67,73.33 69.68,73.31 70.43,71.92 70.45,71.87 70.47,71.83 70.49,71.78 70.5,71.73 70.52,71.68 70.53,71.63 70.54,71.58 70.55,71.53 70.55,71.48 70.56,71.43 70.56,71.38 70.55,71.33 70.49,69.99 70.48,69.96 70.48,69.95 70.57,63.81 70.58,63.76 70.58,63.72 70.58,63.67 70.59,63.63 70.59,63.58 70.85,61.74 70.86,61.71 70.86,61.69 70.86,61.66 70.86,61.64 70.86,61.61 70.86,61.59 70.85,61.57 70.85,61.54 70.85,61.52 70.84,61.48 70.83,61.43 70.83,61.39 70.82,61.34 70.82,61.3 70.82,61.25 70.82,61.2 70.89,59.61 70.89,59.58 70.89,59.54 70.9,59.5 70.91,59.46 70.91,59.42 70.92,59.39 70.93,59.35 70.95,59.31 70.96,59.28 71.62,57.61 71.63,57.58 71.65,57.55 71.66,57.52 71.69,57.44 71.72,57.38 71.76,57.32 71.79,57.26 71.82,57.2 71.86,57.14 71.9,57.09 71.93,57.04 71.96,57 72,56.95 72.03,56.91 72.07,56.86 72.11,56.82 72.85,56 72.88,55.97 72.91,55.94 72.94,55.91 72.97,55.88 75.74,53.17 75.77,53.14 75.8,53.12 75.83,53.09 75.86,53.07 75.89,53.05 75.92,53.03 75.95,53.01 75.98,52.99 77.06,52.39 77.11,52.36 77.15,52.33 77.2,52.3 77.24,52.27 77.28,52.23 77.32,52.19 77.35,52.15 77.39,52.11 77.42,52.07 77.45,52.02 77.48,51.98 77.51,51.93 77.53,51.88 77.55,51.83 77.57,51.78 79.12,47.23 79.9,44.94 79.94,44.8 79.98,44.66 80.01,44.52 80.04,44.38 80.06,44.23 80.07,44.09 80.08,43.94 80.08,43.8 80.08,43.76 80.08,43.72 80.09,43.68 80.09,43.64 80.1,43.6 80.1,43.56 80.5,41.08 80.52,41.02 80.53,40.97 80.55,40.91 80.57,40.85 80.59,40.8 80.62,40.75 80.64,40.7 80.68,40.65 80.71,40.6 80.75,40.55 80.78,40.51 80.83,40.47 80.87,40.43 80.91,40.39 80.96,40.35 81.01,40.32 81.06,40.29 82.14,39.69 82.19,39.66 82.24,39.62 82.29,39.59 82.34,39.55 82.39,39.5 82.43,39.46 82.47,39.41 82.51,39.36 82.54,39.31 82.57,39.26 82.6,39.2 82.63,39.14 82.65,39.09 82.67,39.03 82.68,38.97 82.69,38.91 82.7,38.84 82.71,38.78 82.71,38.72 82.71,33.64 82.71,33.58 82.7,33.52 82.69,33.45 82.68,33.39 82.67,33.33 82.65,33.27 82.63,33.22 82.6,33.16 82.57,33.1 82.54,33.05 82.51,33 82.47,32.95 82.43,32.9 82.39,32.86 82.34,32.81 82.29,32.77 82.24,32.74 82.19,32.7 82.14,32.67 81.06,32.07 81.01,32.04 80.97,32.01 80.93,31.98 80.88,31.95 80.84,31.91 80.8,31.87 80.77,31.83 80.73,31.79 80.7,31.75 80.67,31.71 80.64,31.66 80.62,31.61 80.59,31.56 79.63,29.47 79.59,29.38 79.55,29.29 79.52,29.19 79.5,29.1 79.47,29 79.46,28.9 79.44,28.81 79.43,28.71 79.43,28.61 79.43,28.51 79.43,28.41 79.44,28.32 79.66,26.37 79.67,26.3 79.67,26.23 79.68,26.16 79.68,26.08 79.68,26.01 79.67,23.49 79.67,23.41 79.67,23.34 79.67,23.27 79.66,23.21 79.65,23.14 79.44,21.18 79.44,21.13 79.43,21.08 79.43,21.03 79.43,20.99 79.43,20.9 79.43,20.86 79.43,20.82 79.42,20.78 79.42,20.74 79.27,18.56 79.27,18.53 79.27,18.5 79.27,18.46 79.26,18.43 79.26,18.4 79.26,18.29 79.26,18.18 79.24,18.07 79.23,17.95 79.21,17.84 79.18,17.74 79.15,17.63 79.12,17.52 78.35,15.24 78.33,15.2 78.32,15.15 78.3,15.11 78.28,15.06 78.26,15.02 U9.18 ; v2(67.53,76.14) 69.59,73.45 69.61,73.42 69.64,73.39
